# KiCad board SCART_switcher.kicad_pcb (continued)
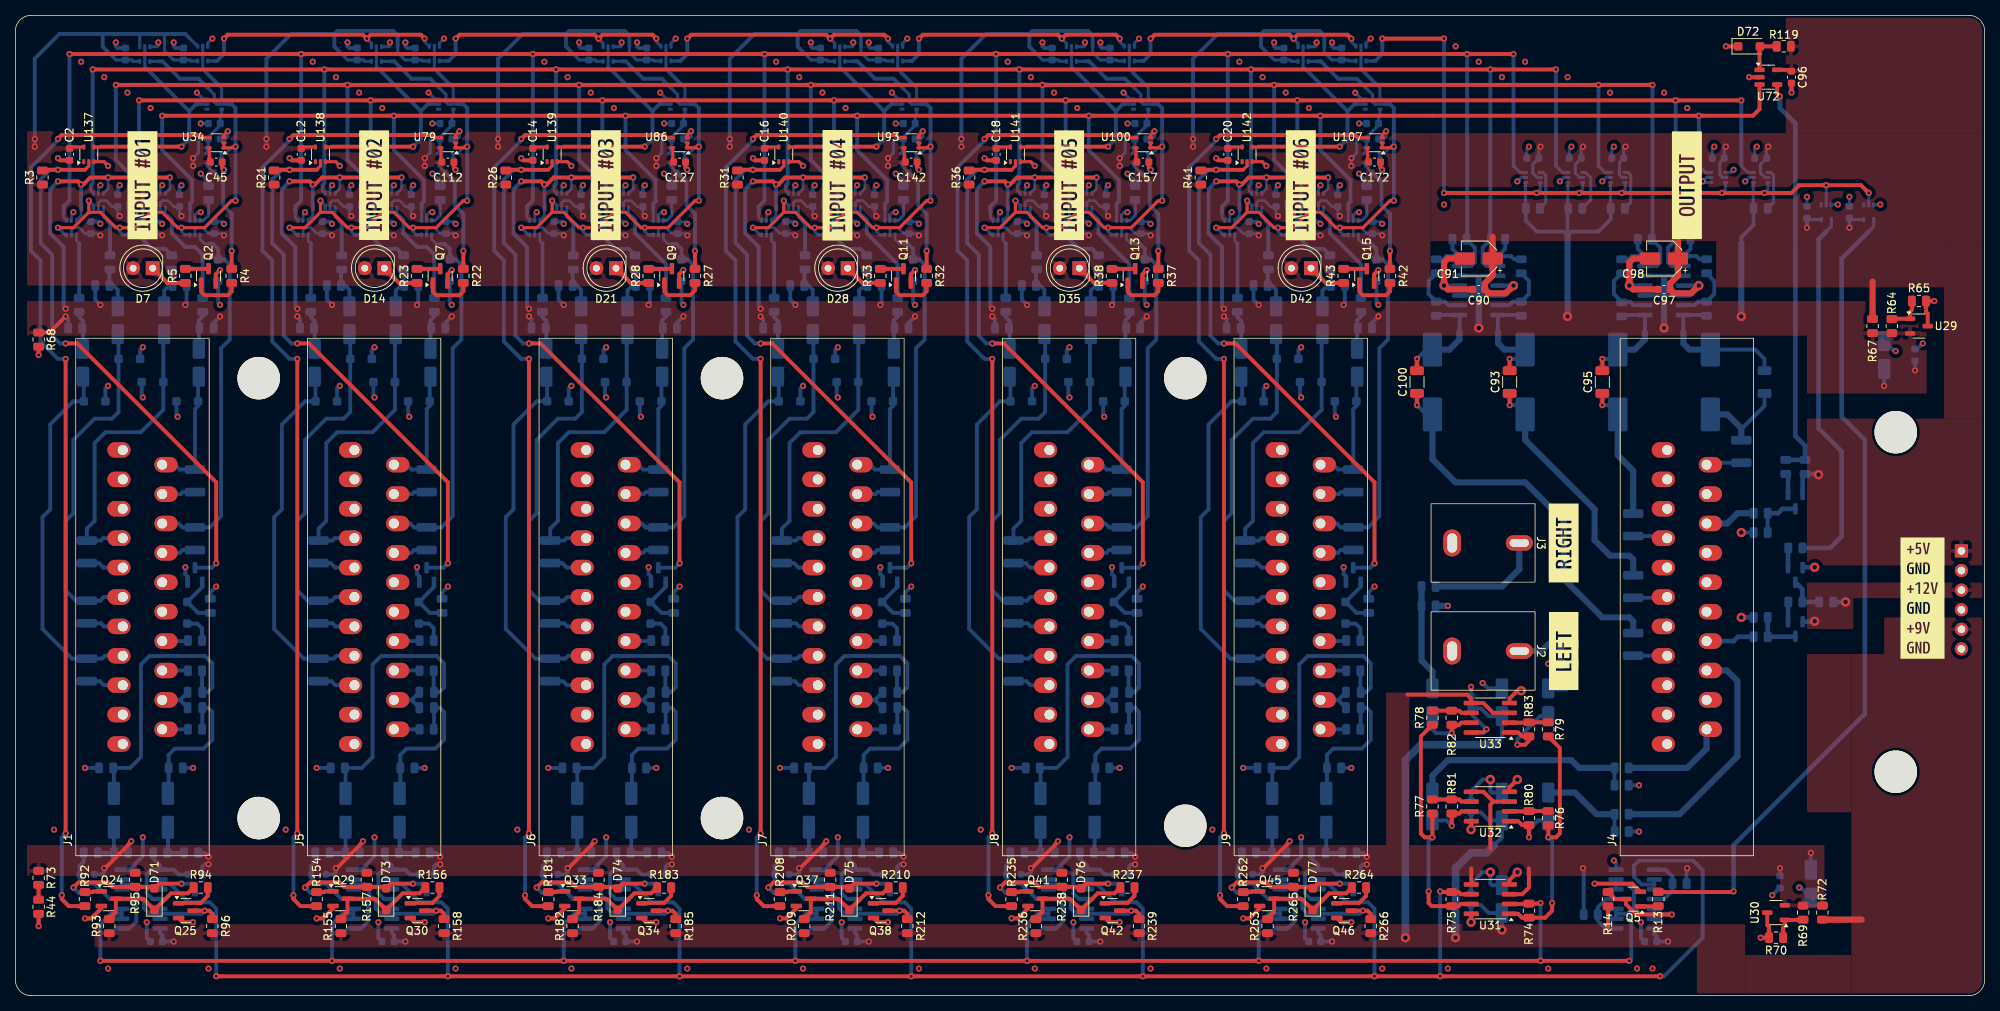
[diagram p0: board, top side]
## Routing (per net, layer and track width the routed paths; a pad name or vN(x,y) marks a point on that pad's centre or on a via; arc(x,y) is an arc through that point) (continued)
/SCART input 3/RED_SCART_IN: length 38.3
  Bottom w0.5: 73.9,59.26 71.36,59.26 71.06,58.96 R168.1 69.25,60.5 70.25,61.5 70.25,71.59 71.66,73 76.25,73 79.15,75.9 D15.1 79.15,85.6 C119.2
/SCART input 3/VIDEO_RGB_SYNC_SCART_IN: length 16.8
  Bottom w0.5: J6.20 80.66,68.79 81.29,68.16 R176.1 83.25,76 83.65,76.4 D18.1 83.65,80.1 C124.2
/SCART input 4/Audio input stage/AUDIO_OUT_ENABLE: length 19.3
  Top w0.5: R212.2 115.5,10.6 115.1,11 Q38.3
  Bottom w0.5: U94.6 103.77,14.4 ; 103.77,14.4 U94.5 ; 103.77,14.4 105.15,14.4 105.8,13.75 105.8,13.03 106.65,12.18 106.65,11.3 107.35,10.6 108.72,10.6 ; 108.72,10.6 U94.13 ; 108.72,10.6 U94.12 ; 108.72,10.6 114.1,10.6 v1(114.5,11)
/SCART input 4/Audio input stage/MUTE: length 19.8
  Top w0.5: v1(97.5,14) 98.17,14.67 101.96,14.67 102.55,14.09 R211.1 ; R211.1 107.81,14.09 D75.2 108.6,14.5 v1(111.5,14.5) ; R211.1 105.59,14
  Bottom w0.5: Q39.3 98.2,13.3 v1(97.5,14) ; v1(111.5,14.5) 113,14.5 113.25,14.25 Q40.3
/SCART input 4/AUDIO_LEFT_SCART_IN: length 3.3
  Bottom w0.5: J7.6 112.32,42.12 R213.1
/SCART input 4/AUDIO_RIGHT_SCART_IN: length 3.3
  Bottom w0.5: J7.2 R214.1
/SCART input 4/BLANKING_SCART_IN: length 48
  Bottom w0.35: U90.4 113.9,98 114.5,97.4 115.1,97.4
  Bottom w0.5: J7.16 111.13,61.17 111.64,60.66 R198.1 115.16,60.66 116.62,62.12 116.62,83.87 117.75,85 117.75,94.7 117.05,95.4 D26.1 116.25,96.75 115.6,97.4 115.1,97.4
/SCART input 4/BLUE_SCART_IN: length 47.9
  Bottom w0.5: C138.2 98.85,80.1 D24.1 97.5,77 94.5,74 94.5,63 93.5,62 93.5,47.5 97.34,43.66 R202.1 101.21,43.66 101.57,44.02 103.9,44.02
/SCART input 4/CARRY_OUT: length 33.8
  Top w0.5: v1(143,124) 142.5,124.5 136.03,124.5 v1(135.51,123.99) 135,124.5 117.53,124.5 117.01,123.99
  Bottom w0.4: U50.1 143,123.6 v1(143,124) ; U49.1 136.1,123.4 v1(135.51,123.99) ; U47.4 115.8,121.1
  Bottom w0.5: 115.8,121.1 116.1,121.1 117,122 v1(117,124)
/SCART input 4/FUNCTION_SCART_IN: length 3.4
  Bottom w0.5: R29.1 112.27,45.93 J7.8
/SCART input 4/GREEN_SCART_IN: length 45.6
  Top w0.135: 104,51.75 103.95,51.7
  Bottom w0.5: J7.11 101.45,51.65 100.96,51.16 R194.1 97.84,51.16 96.5,52.5 96.5,61.5 97.5,62.5 97.5,72 100.25,74.75 102.5,74.75 103.35,75.6 D23.1 103.35,85.6 C133.2
/SCART input 4/IN_ACTIVE: length 29.8
  Top w0.4: 101,110 100.95,109.95 U140.4
  Top w0.5: v1(111.5,110) 101,110
  Bottom w0.4: U46.2 106.75,120.35 107.2,119.9 ; U45.2 113.7,115.5
  Bottom w0.5: 112.5,114.6 113.4,115.5 113.7,115.5 ; 112.5,114.6 112.5,111 v1(111.5,110) ; 112.5,114.6 107.2,119.9
/SCART input 4/IN_ENABLE: length 69.4
  Top w0.4: v1(99.5,103) 99.5,101.5 ; v1(118.5,103) 118,103 114.5,99.5 v1(111.5,99.5) 111,99.5 109,101.5 107.5,101.5 ; v1(118.5,110) 118.35,109.85 U93.1 U93.2 ; 107.5,101.5 105.5,99.5 v1(103.5,99.5) 103,99.5 101,101.5 99.5,101.5 ; 107.5,101.5 v1(107.5,103) ; v1(95.5,99.5) 97.5,99.5 99.5,101.5
  Bottom w0.4: v1(118.5,110) 118.1,110 117.25,109.15 U16.1 U16.2 ; v1(107.5,103) 108.1,102.4 U92.6 ; 114.9,117.6 115.75,116.75 115.75,115.8 116.05,115.5 117.37,115.5 ; v1(111.5,99.5) 111.5,99 111.95,98.55 U90.6 ; U91.6 96.45,98.55 v1(95.5,99.5) ; U88.6 100.1,102.4 v1(99.5,103) ; U89.6 103.95,98.55 103.5,99 v1(103.5,99.5) ; 108.55,121.05 U46.4
  Bottom w0.5: 117.37,115.5 118,115.5 118.5,115 v1(118.5,110) v1(118.5,103) ; 108.55,121.05 109.05,121.05 111.3,118.8 113.7,118.8 114.9,117.6
/SCART input 4/RED_SCART_IN: length 38.3
  Bottom w0.5: 103.9,59.26 101.36,59.26 101.06,58.96 R195.1 99.25,60.5 100.25,61.5 100.25,71.59 101.66,73 106.25,73 109.15,75.9 D22.1 109.15,85.6 C134.2
/SCART input 4/VIDEO_RGB_SYNC_SCART_IN: length 16.8
  Bottom w0.5: J7.20 110.66,68.79 111.29,68.16 R203.1 113.25,76 113.65,76.4 D25.1 113.65,80.1 C139.2
/SCART input 5/Audio input stage/AUDIO_OUT_ENABLE: length 19.3
  Top w0.5: Q42.3 145.1,11 145.5,10.6 R239.2
  Bottom w0.5: 133.77,14.4 135.15,14.4 135.8,13.75 135.8,13.03 136.65,12.18 136.65,11.3 137.35,10.6 138.72,10.6 ; 133.77,14.4 U101.5 ; 133.77,14.4 U101.6 ; 138.72,10.6 U101.13 ; 138.72,10.6 U101.12 ; 138.72,10.6 144.1,10.6 v1(144.5,11)
/SCART input 5/Audio input stage/MUTE: length 19.8
  Top w0.5: v1(127.5,14) 128.17,14.67 131.96,14.67 132.55,14.09 R238.1 ; 135.59,14 R238.1 ; R238.1 137.81,14.09 D76.2 138.6,14.5 v1(141.5,14.5)
  Bottom w0.5: v1(141.5,14.5) 143,14.5 143.25,14.25 Q44.3 ; v1(127.5,14) 128.2,13.3 Q43.3
/SCART input 5/AUDIO_LEFT_SCART_IN: length 3.3
  Bottom w0.5: J8.6 142.32,42.12 R240.1
/SCART input 5/AUDIO_RIGHT_SCART_IN: length 3.3
  Bottom w0.5: J8.2 R241.1
/SCART input 5/BLANKING_SCART_IN: length 48
  Bottom w0.35: 145.1,97.4 144.5,97.4 143.9,98 U97.4
  Bottom w0.5: 145.1,97.4 145.6,97.4 146.25,96.75 D33.1 147.05,95.4 147.75,94.7 147.75,85 146.62,83.87 146.62,62.12 145.16,60.66 R225.1 141.64,60.66 141.13,61.17 J8.16
/SCART input 5/BLUE_SCART_IN: length 47.9
  Bottom w0.5: 133.9,44.02 131.57,44.02 131.21,43.66 R229.1 127.34,43.66 123.5,47.5 123.5,62 124.5,63 124.5,74 127.5,77 D31.1 128.85,80.1 C153.2
/SCART input 5/CARRY_OUT: length 33.8
  Top w0.5: 147.01,123.99 147.53,124.5 165,124.5 v1(165.51,123.99) 166.03,124.5 172.5,124.5 v1(173,124)
  Bottom w0.4: U52.1 166.1,123.4 v1(165.51,123.99) ; U53.1 173,123.6 v1(173,124) ; U50.4 145.8,121.1
  Bottom w0.5: 145.8,121.1 146.1,121.1 147,122 v1(147,124)
/SCART input 5/FUNCTION_SCART_IN: length 3.4
  Bottom w0.5: R34.1 142.27,45.93 J8.8
/SCART input 5/GREEN_SCART_IN: length 45.6
  Top w0.135: 134,51.75 133.95,51.7
  Bottom w0.5: J8.11 131.45,51.65 130.96,51.16 R221.1 127.84,51.16 126.5,52.5 126.5,61.5 127.5,62.5 127.5,72 130.25,74.75 132.5,74.75 133.35,75.6 D30.1 133.35,85.6 C148.2
/SCART input 5/IN_ACTIVE: length 29.8
  Top w0.4: 131,110 130.95,109.95 U141.4
  Top w0.5: v1(141.5,110) 131,110
  Bottom w0.4: U48.2 143.7,115.5 ; 137.2,119.9 136.75,120.35 U49.2
  Bottom w0.5: 142.5,114.6 142.5,111 v1(141.5,110) ; 142.5,114.6 143.4,115.5 143.7,115.5 ; 142.5,114.6 137.2,119.9
/SCART input 5/IN_ENABLE: length 69.4
  Top w0.4: 137.5,101.5 135.5,99.5 v1(133.5,99.5) 133,99.5 131,101.5 129.5,101.5 ; 137.5,101.5 139,101.5 141,99.5 v1(141.5,99.5) 144.5,99.5 148,103 v1(148.5,103) ; 137.5,101.5 v1(137.5,103) ; v1(148.5,110) 148.35,109.85 U100.1 U100.2 ; 129.5,101.5 127.5,99.5 v1(125.5,99.5) ; 129.5,101.5 v1(129.5,103)
  Bottom w0.4: 147.37,115.5 146.05,115.5 145.75,115.8 145.75,116.75 144.9,117.6 ; U97.6 141.95,98.55 141.5,99 v1(141.5,99.5) ; 138.55,121.05 U49.4 ; U98.6 126.45,98.55 v1(125.5,99.5) ; U96.6 133.95,98.55 133.5,99 v1(133.5,99.5) ; U18.2 U18.1 147.25,109.15 148.1,110 v1(148.5,110) ; U99.6 138.1,102.4 v1(137.5,103) ; U95.6 130.1,102.4 v1(129.5,103)
  Bottom w0.5: v1(148.5,103) v1(148.5,110) 148.5,115 148,115.5 147.37,115.5 ; 144.9,117.6 143.7,118.8 141.3,118.8 139.05,121.05 138.55,121.05
/SCART input 5/RED_SCART_IN: length 38.3
  Bottom w0.5: 133.9,59.26 131.36,59.26 131.06,58.96 R222.1 129.25,60.5 130.25,61.5 130.25,71.59 131.66,73 136.25,73 139.15,75.9 D29.1 139.15,85.6 C149.2
/SCART input 5/VIDEO_RGB_SYNC_SCART_IN: length 16.8
  Bottom w0.5: C154.2 143.65,80.1 D32.1 143.65,76.4 143.25,76 R230.1 141.29,68.16 140.66,68.79 J8.20
/SCART input 6/Audio input stage/AUDIO_OUT_ENABLE: length 19.3
  Top w0.5: Q46.3 175.1,11 175.5,10.6 R266.2
  Bottom w0.5: U108.6 163.77,14.4 ; 163.77,14.4 U108.5 ; 163.77,14.4 165.15,14.4 165.8,13.75 165.8,13.03 166.65,12.18 166.65,11.3 167.35,10.6 168.72,10.6 ; 168.72,10.6 U108.13 ; 168.72,10.6 174.1,10.6 v1(174.5,11) ; 168.72,10.6 U108.12
/SCART input 6/Audio input stage/MUTE: length 19.8
  Top w0.5: v1(157.5,14) 158.17,14.67 161.96,14.67 162.55,14.09 R265.1 ; 165.59,14 R265.1 ; R265.1 167.81,14.09 D77.2 168.6,14.5 v1(171.5,14.5)
  Bottom w0.5: v1(171.5,14.5) 173,14.5 173.25,14.25 Q48.3 ; v1(157.5,14) 158.2,13.3 Q47.3
/SCART input 6/AUDIO_LEFT_SCART_IN: length 3.3
  Bottom w0.5: R267.1 172.32,42.12 J9.6
/SCART input 6/AUDIO_RIGHT_SCART_IN: length 3.3
  Bottom w0.5: J9.2 R268.1
/SCART input 6/BLANKING_SCART_IN: length 48
  Bottom w0.35: U104.4 173.9,98 174.5,97.4 175.1,97.4
  Bottom w0.5: J9.16 171.13,61.17 171.64,60.66 R252.1 175.16,60.66 176.62,62.12 176.62,83.87 177.75,85 177.75,94.7 177.05,95.4 D40.1 176.25,96.75 175.6,97.4 175.1,97.4
/SCART input 6/BLUE_SCART_IN: length 47.9
  Bottom w0.5: C168.2 158.85,80.1 D38.1 157.5,77 154.5,74 154.5,63 153.5,62 153.5,47.5 157.34,43.66 R256.1 161.21,43.66 161.57,44.02 163.9,44.02
/SCART input 6/CARRY_OUT: length 100.1
  Top w0.5: v1(240,104) 239,105 v1(234.5,105) 231,105 230,104 v1(226.5,104) v1(221,104) v1(208,104) v1(202.5,104) v1(197,104) v1(185,104) ; v1(177,124) v1(185,124)
  Bottom w0.4: v1(202.5,104) 202.95,104.45 U5.6 ; U6.6 208.45,104.45 v1(208,104) ; v1(226.5,104) 226.95,104.45 U10.6 ; U53.4 175.8,121.1 ; U3.2 v1(234.5,105) ; U4.2 v1(240,104) ; v1(221,104) 221.45,104.45 U7.6 ; v1(197,104) 197.45,104.45 U9.6
  Bottom w0.5: 175.8,121.1 176.1,121.1 177,122 v1(177,124) ; v1(185,124) v1(185,104)
/SCART input 6/FUNCTION_SCART_IN: length 3.4
  Bottom w0.5: R39.1 172.27,45.93 J9.8
/SCART input 6/GREEN_SCART_IN: length 45.6
  Top w0.135: 164,51.75 163.95,51.7
  Bottom w0.5: C163.2 163.35,85.6 D37.1 163.35,75.6 162.5,74.75 160.25,74.75 157.5,72 157.5,62.5 156.5,61.5 156.5,52.5 157.84,51.16 R248.1 160.96,51.16 161.45,51.65 J9.11
/SCART input 6/IN_ACTIVE: length 29.8
  Top w0.4: U142.4 160.95,109.95 161,110
  Top w0.5: v1(171.5,110) 161,110
  Bottom w0.4: U51.2 173.7,115.5 ; U52.2 166.75,120.35 167.2,119.9
  Bottom w0.5: 172.5,114.6 172.5,111 v1(171.5,110) ; 172.5,114.6 173.4,115.5 173.7,115.5 ; 172.5,114.6 167.2,119.9
/SCART input 6/IN_ENABLE: length 69.4
  Top w0.4: 167.5,101.5 169,101.5 171,99.5 v1(171.5,99.5) 174.5,99.5 178,103 v1(178.5,103) ; 167.5,101.5 165.5,99.5 v1(163.5,99.5) 163,99.5 161,101.5 159.5,101.5 ; 167.5,101.5 v1(167.5,103) ; 159.5,101.5 v1(159.5,103) ; 159.5,101.5 157.5,99.5 v1(155.5,99.5) ; U107.2 U107.1 178.35,109.85 v1(178.5,110)
  Bottom w0.4: U104.6 171.95,98.55 171.5,99 v1(171.5,99.5) ; U102.6 160.1,102.4 v1(159.5,103) ; U105.6 156.45,98.55 v1(155.5,99.5) ; v1(163.5,99.5) 163.5,99 163.95,98.55 U103.6 ; v1(178.5,110) 178.1,110 177.25,109.15 U20.1 U20.2 ; 174.9,117.6 175.75,116.75 175.75,115.8 176.05,115.5 177.37,115.5 ; U106.6 168.1,102.4 v1(167.5,103) ; 168.55,121.05 U52.4
  Bottom w0.5: 177.37,115.5 178,115.5 178.5,115 v1(178.5,110) v1(178.5,103) ; 174.9,117.6 173.7,118.8 171.3,118.8 169.05,121.05 168.55,121.05
/SCART input 6/RED_SCART_IN: length 38.3
  Bottom w0.5: 163.9,59.26 161.36,59.26 161.06,58.96 R249.1 159.25,60.5 160.25,61.5 160.25,71.59 161.66,73 166.25,73 169.15,75.9 D36.1 169.15,85.6 C164.2
/SCART input 6/VIDEO_RGB_SYNC_SCART_IN: length 16.8
  Bottom w0.5: J9.20 170.66,68.79 171.29,68.16 R257.1 173.25,76 173.65,76.4 D39.1 173.65,80.1 C169.2
/SCART output/AUDIO_RCA_LEFT: length 5.7
  Bottom w0.8: J2.1 197.65,44.65 198.5,45.5 R91.2
/SCART output/AUDIO_RCA_RIGHT: length 15.2
  Bottom w0.8: J3.1 194.75,55.25 192.5,53 R90.2
/SCART output/AUDIO_SCART_OUT_LEFT: length 31.5
  Bottom w0.8: J4.6 221.63,42.12 223,40.75 223,31 215.5,23.5 R88.2
/SCART output/AUDIO_SCART_OUT_RIGHT: length 13.6
  Bottom w0.8: J4.2 219,32 216.5,29.5 R89.2
/SCART output/BLANKING_SCART_OUT: length 6.6
  Bottom w0.8: R129.1 223,62.5 221.67,61.17 J4.16
/SCART output/BLUE_SCART_OUT: length 4.4
  Bottom w0.5: R138.2 213.89,44.04 J4.7
/SCART output/FUNCTION_SCART_OUT: length 6.3
  Bottom w0.6: R10.2 223.07,46.5 222.5,45.93 J4.8
/SCART output/GREEN_SCART_OUT: length 4.4
  Bottom w0.5: J4.11 213.79,51.54 R130.2
/SCART output/RED_SCART_OUT: length 4.5
  Bottom w0.5: R131.2 213.63,59.54 J4.15
/SCART output/VIDEO_RGB_SYNC_SCART_OUT: length 4.6
  Bottom w0.5: J4.20 219.25,69.04 R139.2
/Silent input/AUDIO_OUT_ENABLE: length 22.5
  Top w0.5: v1(214.5,10.5) 209.9,10.5 208.56,11.83 Q5.3 207.16,12.5 R14.2
  Bottom w0.5: 212.22,10.6 210.4,10.6 209.6,11.4 209.6,13.6 208.8,14.4 207.27,14.4 ; 212.22,10.6 U8.12 ; 212.22,10.6 U8.13 ; 212.22,10.6 214.4,10.6 v1(214.5,10.5) ; 207.27,14.4 U8.5 ; 207.27,14.4 U8.6
/VIDEO_RGB_SYNC: length 319.1
  Top w0.5: v1(223.5,116) v1(215,116) v1(166,116) v1(136,116) v1(106,116) v1(76,116) v1(46,116) v1(16,116)
  Bottom w0.35: U99.1 137.75,104.3 137.75,105 ; U78.1 47.75,104.3 47.75,105 ; U85.1 77.75,104.3 77.75,105 ; U106.1 167.75,104.3 167.75,105 ; 107.75,105 107.75,104.3 U92.1 ; 17.75,105 17.75,104.3 U64.1
  Bottom w0.4: U10.3 224.35,106.65 223.5,107.5
  Bottom w0.5: v1(16,116) 16,109.5 17.75,107.75 17.75,105 ; 107.75,105 107.75,107.75 106,109.5 v1(106,116) ; v1(223.5,116) 223.5,107.5 ; v1(215,116) 215,98.09 R133.1 214,96.91 214,95 214.46,94.54 U73.2 ; 167.75,105 167.75,107.75 166,109.5 v1(166,116) ; 137.75,105 137.75,107.75 136,109.5 v1(136,116) ; 47.75,105 47.75,107.75 46,109.5 v1(46,116) ; 77.75,105 77.75,107.75 76,109.5 v1(76,116)
Net-(C41-Pad1): length 8.3
  Top w0.5: U32.1 194.6,22.59 195.11,22.09 R80.2 v1(196,20.5)
  Bottom w0.5: v1(196,20.5) 196,21.5 197.2,22.7 C41.1
Net-(C41-Pad2): length 12
  Bottom w0.5: R88.1 R84.1
  Bottom w0.8: C41.2 201.95,26.3 204.75,23.5 R88.1
Net-(C42-Pad1): length 7
  Top w0.5: v1(186,22) R81.2 186.99,23.59 187.26,23.86 U32.7
  Bottom w0.5: C42.1 185.3,22.7 v1(186,22)
Net-(C42-Pad2): length 29.3
  Bottom w0.5: R85.1 R89.1
  Bottom w0.8: C42.2 183.5,28.5 185.5,30.5 201.5,30.5 202.5,29.5 R89.1
Net-(C43-Pad1): length 8.1
  Top w0.5: U33.7 187.26,35.36 186.99,35.09 R82.2 v1(186,34)
  Bottom w0.5: C43.1 183.5,34.5 184,34 v1(186,34)
Net-(C43-Pad2): length 13.8
  Bottom w0.8: R90.1 R86.1 182.09,43.41 183.5,42 C43.2
Net-(C44-Pad1): length 11
  Top w0.5: U33.1 194.6,34.09 195.11,33.59 R83.2 196,33 195.5,32.5 v1(194.5,32.5)
  Bottom w0.5: v1(194.5,32.5) 194.5,33.25 197.45,36.2 C44.1
Net-(C44-Pad2): length 8.5
  Bottom w0.8: C44.2 200.8,39.8 201.91,40.91 R87.1 R91.1
Net-(C46-Pad1): length 37.1
  Bottom w0.5: R97.2 24.16,39.34 C46.1 24.87,39.3 25.5,39.92 25.5,43.05 24.55,44 17.35,44 16.25,42.9 16.25,30.9 14.85,29.5 R99.1 12.75,29.41 C48.2
Net-(C47-Pad1): length 19.5
  Bottom w0.5: R98.2 24.2,34.54 C47.1 24.95,37.3 25.5,36.75 25.5,33.12 24.37,32 20.65,32 19.84,31.19 R100.1 19.84,26.29 C49.2
Net-(C48-Pad1): length 5.4
  Bottom w0.5: R103.1 R101.1 C48.1
Net-(C49-Pad1): length 5.5
  Bottom w0.5: C49.1 19.75,18.59 R104.1 R102.1
Net-(C75-Pad1): length 5.6
  Bottom w0.5: R110.1 12.16,94 R107.1 12.7,92 13.25,91.45 C75.1
Net-(C76-Pad1): length 5.5
  Bottom w0.5: R111.1 20.34,94 R108.1 19.9,92 19.25,91.35 C76.1
Net-(C80-Pad1): length 5
  Bottom w0.5: C80.1 8.75,87.4 8.25,87.9 R117.1
Net-(C81-Pad1): length 5
  Bottom w0.5: R118.1 24.25,88 23.75,87.5 C81.1
Net-(C92-Pad1): length 14.6
  Top w0.5: C93.2 v1(193.5,82.5)
  Bottom w0.5: R125.2 194.9,88.19 U71.7 191.97,86.02 192,86 ; v1(193.5,82.5) 194.3,82.5 C92.1
  Bottom w0.8: C92.1 192.8,83.7 192,84.5 192,86
Net-(C92-Pad2): length 32.1
  Top w0.5: C93.1 v1(193.5,76.5)
  Bottom w0.5: C92.2 194.3,76.5 v1(193.5,76.5)
  Bottom w0.8: R130.1 209.5,56.5 209,57 206.5,57 204.5,59 204.5,63 195.5,72 C92.2
Net-(C94-Pad1): length 14.3
  Top w0.5: C95.2 v1(205.5,82.5)
  Bottom w0.5: v1(205.5,82.5) 206.3,82.5 C94.1 ; 208,88.09 208.1,88.19 U73.8 211.02,86.02 211,86
  Bottom w0.8: C94.1 209.7,83.7 211,85 211,86
Net-(C94-Pad2): length 17.7
  Top w0.5: C95.1 v1(205.5,76.5)
  Bottom w0.5: v1(205.5,76.5) 206.3,76.5 C94.2
  Bottom w0.8: R131.1 209.5,68 207.5,70 C94.2
Net-(C100-Pad1): length 50.5
  Top w0.5: v1(181.5,76.5) C100.1
  Bottom w0.5: v1(181.5,76.5) 182.7,75.3 C99.2
  Bottom w0.8: C99.2 183.5,69.5 186.5,66.5 195.5,66.5 200.5,61.5 200.5,54 205.5,49 209,49 209.5,48.5 R138.1
Net-(C100-Pad2): length 14.3
  Top w0.5: v1(181.5,82.5) C100.2
  Bottom w0.5: R136.2 184.1,88.19 U71.8 187.02,86.02 187,86 ; C99.1 182.7,83.7 v1(181.5,82.5)
  Bottom w0.8: C99.1 185.7,83.7 187,85 187,86
Net-(C101-Pad1): length 19.6
  Bottom w0.5: C102.2 226.5,82.5 225.3,83.7 C101.1 ; R137.2 218.9,88.19 U73.7 215.97,86.02 216,86
  Bottom w0.8: C101.1 216.8,83.7 216,84.5 216,86
Net-(C101-Pad2): length 13.6
  Bottom w0.5: C102.1 226.5,76.4 223.5,73.4 R139.1
  Bottom w0.8: R139.1 223.5,73.5 221.7,75.3 C101.2
Net-(C103-Pad1): length 5.6
  Bottom w0.5: C103.1 43.25,91.45 42.7,92 R142.1 42.16,94 R145.1
Net-(C104-Pad1): length 5.5
  Bottom w0.5: R146.1 50.34,94 R143.1 49.9,92 49.25,91.35 C104.1
Net-(C108-Pad1): length 5
  Bottom w0.5: R152.1 38.25,87.9 38.75,87.4 C108.1
Net-(C109-Pad1): length 5
  Bottom w0.5: C109.1 53.75,87.5 54.25,88 R153.1
Net-(C113-Pad1): length 37.1
  Bottom w0.5: C115.2 42.75,29.41 R161.1 44.85,29.5 46.25,30.9 46.25,42.9 47.35,44 54.55,44 55.5,43.05 55.5,39.92 54.87,39.3 C113.1 54.16,39.34 R159.2
Net-(C114-Pad1): length 19.5
  Bottom w0.5: C116.2 49.84,26.29 R162.1 49.84,31.19 50.65,32 54.37,32 55.5,33.12 55.5,36.75 54.95,37.3 C114.1 54.2,34.54 R160.2
Net-(C115-Pad1): length 5.4
  Bottom w0.5: C115.1 R163.1 R165.1
Net-(C116-Pad1): length 5.5
  Bottom w0.5: C116.1 49.75,18.59 R166.1 R164.1
Net-(C118-Pad1): length 5.6
  Bottom w0.5: C118.1 73.25,91.45 72.7,92 R169.1 72.16,94 R172.1
Net-(C119-Pad1): length 5.5
  Bottom w0.5: R173.1 80.34,94 R170.1 79.9,92 79.25,91.35 C119.1
Net-(C123-Pad1): length 5
  Bottom w0.5: R179.1 68.25,87.9 68.75,87.4 C123.1
Net-(C124-Pad1): length 5
  Bottom w0.5: C124.1 83.75,87.5 84.25,88 R180.1
Net-(C128-Pad1): length 37.1
  Bottom w0.5: C130.2 72.75,29.41 R188.1 74.85,29.5 76.25,30.9 76.25,42.9 77.35,44 84.55,44 85.5,43.05 85.5,39.92 84.87,39.3 C128.1 84.16,39.34 R186.2
Net-(C129-Pad1): length 19.5
  Bottom w0.5: R187.2 84.2,34.54 C129.1 84.95,37.3 85.5,36.75 85.5,33.12 84.37,32 80.65,32 79.84,31.19 R189.1 79.84,26.29 C131.2
Net-(C130-Pad1): length 5.4
  Bottom w0.5: R192.1 R190.1 C130.1
Net-(C131-Pad1): length 5.5
  Bottom w0.5: C131.1 79.75,18.59 R193.1 R191.1
Net-(C133-Pad1): length 5.6
  Bottom w0.5: C133.1 103.25,91.45 102.7,92 R196.1 102.16,94 R199.1
Net-(C134-Pad1): length 5.5
  Bottom w0.5: C134.1 109.25,91.35 109.9,92 R197.1 110.34,94 R200.1
Net-(C138-Pad1): length 5
  Bottom w0.5: C138.1 98.75,87.4 98.25,87.9 R206.1
Net-(C139-Pad1): length 5
  Bottom w0.5: R207.1 114.25,88 113.75,87.5 C139.1
Net-(C143-Pad1): length 37.1
  Bottom w0.5: C145.2 102.75,29.41 R215.1 104.85,29.5 106.25,30.9 106.25,42.9 107.35,44 114.55,44 115.5,43.05 115.5,39.92 114.87,39.3 C143.1 114.16,39.34 R213.2
Net-(C144-Pad1): length 19.5
  Bottom w0.5: C146.2 109.84,26.29 R216.1 109.84,31.19 110.65,32 114.37,32 115.5,33.12 115.5,36.75 114.95,37.3 C144.1 114.2,34.54 R214.2
Net-(C145-Pad1): length 5.4
  Bottom w0.5: R219.1 R217.1 C145.1
Net-(C146-Pad1): length 5.5
  Bottom w0.5: C146.1 109.75,18.59 R220.1 R218.1
Net-(C148-Pad1): length 5.6
  Bottom w0.5: C148.1 133.25,91.45 132.7,92 R223.1 132.16,94 R226.1
Net-(C149-Pad1): length 5.5
  Bottom w0.5: C149.1 139.25,91.35 139.9,92 R224.1 140.34,94 R227.1
Net-(C153-Pad1): length 5
  Bottom w0.5: C153.1 128.75,87.4 128.25,87.9 R233.1
Net-(C154-Pad1): length 5
  Bottom w0.5: C154.1 143.75,87.5 144.25,88 R234.1
Net-(C158-Pad1): length 37.1
  Bottom w0.5: C160.2 132.75,29.41 R242.1 134.85,29.5 136.25,30.9 136.25,42.9 137.35,44 144.55,44 145.5,43.05 145.5,39.92 144.87,39.3 C158.1 144.16,39.34 R240.2
Net-(C159-Pad1): length 19.5
  Bottom w0.5: R241.2 144.2,34.54 C159.1 144.95,37.3 145.5,36.75 145.5,33.12 144.37,32 140.65,32 139.84,31.19 R243.1 139.84,26.29 C161.2
Net-(C160-Pad1): length 5.4
  Bottom w0.5: C160.1 R244.1 R246.1
Net-(C161-Pad1): length 5.5
  Bottom w0.5: C161.1 139.75,18.59 R247.1 R245.1
Net-(C163-Pad1): length 5.6
  Bottom w0.5: C163.1 163.25,91.45 162.7,92 R250.1 162.16,94 R253.1
Net-(C164-Pad1): length 5.5
  Bottom w0.5: C164.1 169.25,91.35 169.9,92 R251.1 170.34,94 R254.1
Net-(C168-Pad1): length 5
  Bottom w0.5: R260.1 158.25,87.9 158.75,87.4 C168.1
Net-(C169-Pad1): length 5
  Bottom w0.5: R261.1 174.25,88 173.75,87.5 C169.1
Net-(C173-Pad1): length 37.1
  Bottom w0.5: C175.2 162.75,29.41 R269.1 164.85,29.5 166.25,30.9 166.25,42.9 167.35,44 174.55,44 175.5,43.05 175.5,39.92 174.87,39.3 C173.1 174.16,39.34 R267.2
Net-(C174-Pad1): length 19.5
  Bottom w0.5: C176.2 169.84,26.29 R270.1 169.84,31.19 170.65,32 174.37,32 175.5,33.12 175.5,36.75 174.95,37.3 C174.1 174.2,34.54 R268.2